# KiCad board WLED Matrix.kicad_pcb (continued)
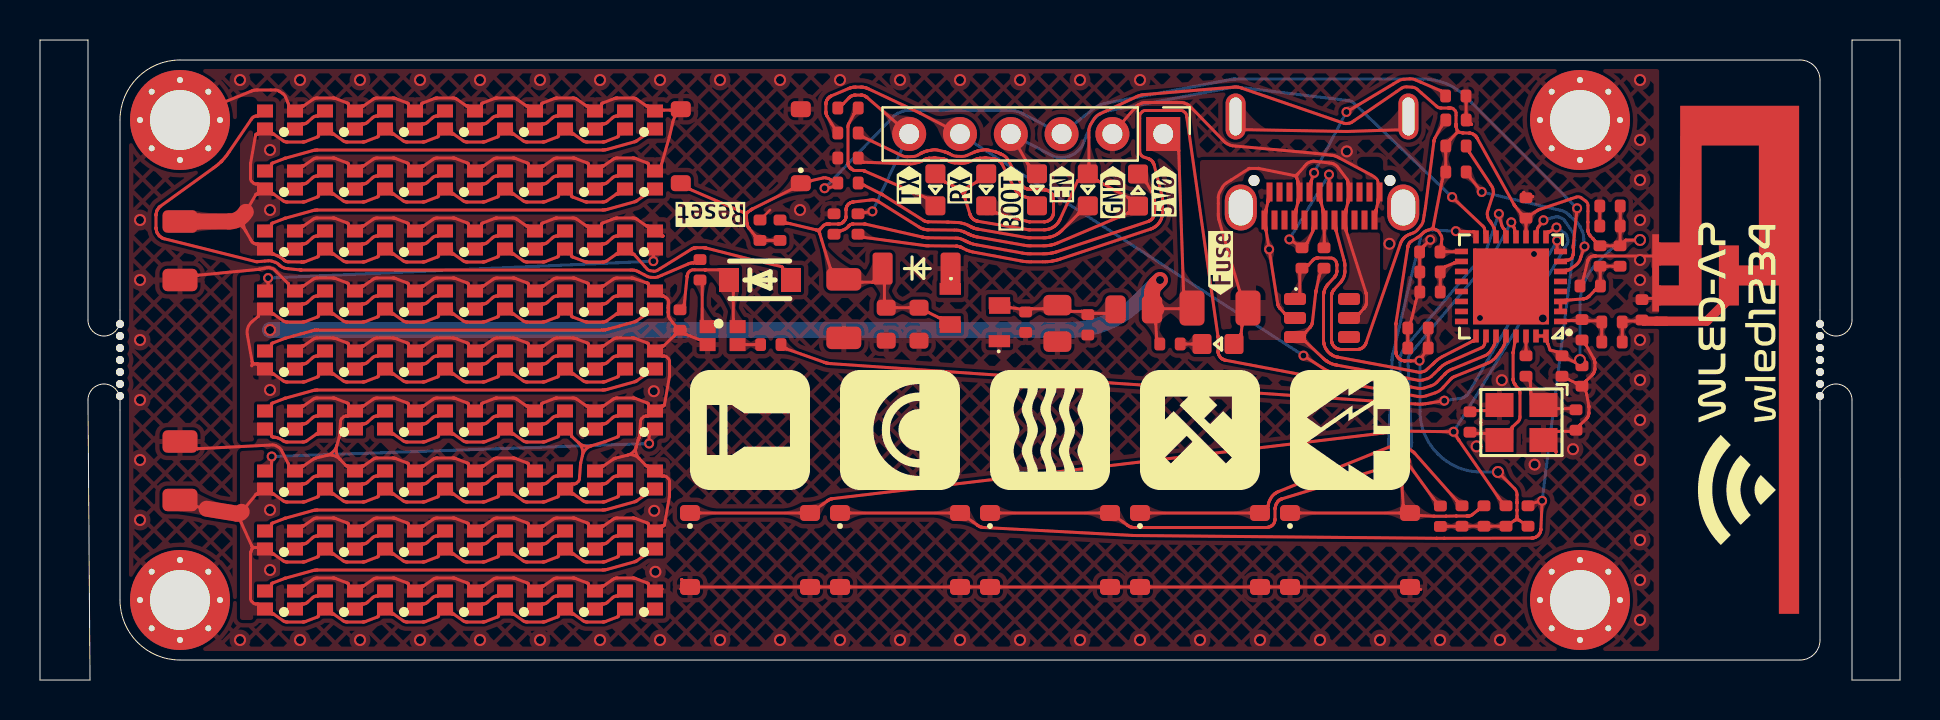
[diagram p0: board, top side]
## Routing (per net, layer and track width the routed paths; a pad name or vN(x,y) marks a point on that pad's centre or on a via; arc(x,y) is an arc through that point) (continued)
/Flashlight: length 56
  Top w0.15: U3.9 75.36,22.37 arc(75.37,22.39) 75.4,22.41 75.45,22.41 arc(75.45,22.41) 75.46,22.41 75.47,22.41 arc(75.47,22.41) 75.47,22.41 arc(75.48,22.42) 75.48,22.42 v2(75.83,22.62) ; SW5.1 38.29,8.35 arc(38.49,8.38) 38.68,8.47 38.76,8.52 arc(38.96,8.66) 39.16,8.81 39.36,8.95 arc(39.37,8.95) 39.37,8.96 arc(39.38,8.96) 39.38,8.97 39.43,9 arc(39.44,9.01) 39.46,9.01 arc(39.47,9.02) 39.48,9.03 39.51,9.04 arc(39.53,9.05) 39.54,9.05 39.64,9.07 arc(39.64,9.07) 39.65,9.07 39.65,9.07 arc(39.66,9.07) 39.66,9.07 arc(39.66,9.07) 39.66,9.07 67.93,12.44 67.95,12.44 arc(67.96,12.44) 67.97,12.44 67.99,12.44 arc(68,12.44) 68,12.44 68.02,12.44 v2(70.68,12.41) 70.91,12.04 arc(70.91,12.03) 70.92,12.03 arc(70.92,12.02) 70.92,12.02 70.95,11.98 arc(70.95,11.98) 70.95,11.98 arc(70.95,11.97) 70.95,11.97 72.94,9.1 arc(73.05,8.96) 73.17,8.83 R20.2
  Bottom w0.15: v2(75.83,22.62) 76.06,22.47 76.23,22.35 arc(76.3,22.28) 76.34,22.19 76.39,21.99 arc(76.39,21.89) 76.36,21.79 76.25,21.61 71.78,14.16 arc(71.77,14.15) 71.77,14.14 arc(71.76,14.13) 71.76,14.12 v2(70.68,12.41)
/Game of Life: length 27.7
  Top w0.15: SW9.1 68.29,8.35 ; v2(68.06,10.25) 68.16,8.75 arc(68.16,8.75) 68.16,8.75 arc(68.16,8.75) 68.16,8.74 arc(68.16,8.74) 68.16,8.74 68.36,8.51 ; R28.2 71.91,8.5 arc(71.9,8.5) 71.9,8.5 arc(71.9,8.5) 71.9,8.5 71.63,8.28 71.59,8.25 arc(71.57,8.24) 71.55,8.23 71.51,8.21 arc(71.48,8.2) 71.46,8.2 71.41,8.2 arc(71.41,8.2) 71.4,8.2 71.39,8.2 arc(71.38,8.2) 71.37,8.2 71.36,8.2 arc(71.36,8.2) 71.36,8.2 71.36,8.2 arc(71.36,8.2) 71.35,8.2 71.35,8.2 arc(71.34,8.2) 71.34,8.2 70.82,8.2 arc(70.82,8.2) 70.82,8.2 70.3,8.19 arc(70.3,8.19) 70.3,8.19 69.72,8.19 arc(69.71,8.19) 69.7,8.19 arc(69.69,8.19) 69.68,8.19 69.01,8.22 arc(69,8.22) 69,8.22 arc(69,8.22) 69,8.23 68.96,8.23 arc(68.93,8.23) 68.89,8.24 68.7,8.29 ; U3.16 71.74,22.37 arc(71.73,22.39) 71.7,22.41 71.66,22.41 arc(71.66,22.41) 71.66,22.41 arc(71.66,22.41) 71.66,22.41 v2(70.79,22.44) ; 68.7,8.29 arc(68.5,8.33) 68.29,8.35 ; 68.7,8.29 arc(68.52,8.38) 68.36,8.51 ; 68.29,8.35 arc(68.38,8.41) 68.36,8.51
  Bottom w0.15: v2(70.79,22.44) 69.62,22.5 69.45,22.51 arc(69.36,22.49) 69.29,22.46 69.14,22.35 arc(69.09,22.29) 69.05,22.21 69.01,22.04 67.65,16.32 67.63,16.25 arc(67.62,16.22) 67.62,16.19 67.61,16.12 arc(67.61,16.09) 67.6,16.06 67.6,15.99 67.43,11.87 arc(67.43,11.84) 67.43,11.82 67.44,11.77 arc(67.45,11.74) 67.45,11.72 67.76,10.76 arc(67.77,10.75) 67.78,10.73 67.79,10.7 arc(67.8,10.69) 67.8,10.67 arc(67.81,10.66) 67.82,10.65 v2(68.06,10.25)
/MCU_RX: length 40.7
  Top w0.15: v2(63.17,16.22) 64.23,15.54 arc(64.29,15.5) 64.35,15.47 64.49,15.42 arc(64.55,15.4) 64.62,15.38 64.74,15.36 arc(64.75,15.35) 64.76,15.35 arc(64.77,15.35) 64.78,15.35 68.55,14.65 68.89,14.58 arc(69.06,14.57) 69.23,14.6 69.56,14.71 arc(69.71,14.78) 69.84,14.89 70.24,15.29 arc(70.24,15.29) 70.24,15.29 arc(70.24,15.3) 70.24,15.3 70.25,15.3 arc(70.26,15.31) 70.26,15.32 70.29,15.35 arc(70.33,15.38) 70.36,15.41 70.45,15.47 arc(70.49,15.49) 70.53,15.51 70.62,15.55 72.16,16.18 72.27,16.23 arc(72.32,16.25) 72.37,16.29 72.46,16.37 arc(72.5,16.41) 72.53,16.45 72.68,16.71 72.7,16.74 arc(72.71,16.76) 72.72,16.78 72.73,16.82 arc(72.73,16.84) 72.73,16.86 72.73,16.91 arc(72.74,16.95) 72.74,16.99 U3.27 ; J1.5 44.02,28.33 arc(44,28.34) 43.98,28.35 arc(43.96,28.36) 43.94,28.37 41.43,29.56 41.39,29.58 arc(41.37,29.58) 41.35,29.59 41.3,29.61 arc(41.28,29.61) 41.26,29.62 41.21,29.63 arc(41.21,29.63) 41.21,29.63 arc(41.21,29.63) 41.21,29.63 41.17,29.64 arc(41.15,29.64) 41.13,29.64 41.1,29.64 arc(41.08,29.65) 41.06,29.65 40.76,29.65 arc(40.74,29.65) 40.72,29.64 40.69,29.64 arc(40.67,29.64) 40.65,29.64 40.61,29.63 arc(40.61,29.63) 40.61,29.63 arc(40.61,29.63) 40.6,29.63 40.56,29.62 arc(40.54,29.61) 40.53,29.61 40.49,29.6 arc(40.47,29.59) 40.46,29.58 39.57,29.21 arc(39.56,29.2) 39.56,29.2 39.54,29.19 arc(39.54,29.19) 39.53,29.18 arc(39.52,29.18) 39.52,29.18 39.46,29.14 arc(39.45,29.13) 39.44,29.12 39.42,29.1 arc(39.41,29.09) 39.4,29.08 39.35,29 arc(39.34,28.99) 39.34,28.98 39.32,28.95 arc(39.32,28.93) 39.31,28.92 39.31,28.91 arc(39.31,28.9) 39.31,28.89 39.31,28.88 arc(39.31,28.88) 39.31,28.87 arc(39.31,28.87) 39.31,28.87 39.3,28.86 arc(39.3,28.85) 39.3,28.84 arc(39.3,28.83) 39.3,28.82 39.3,28.81 arc(39.29,28.8) 39.29,28.79 39.29,28.41 arc(39.29,28.4) 39.3,28.39 39.3,28.38 arc(39.3,28.37) 39.3,28.36 arc(39.3,28.35) 39.3,28.34 39.31,28.33 arc(39.31,28.33) 39.31,28.32 39.31,28.29 arc(39.32,28.27) 39.32,28.26 39.33,28.23 arc(39.34,28.22) 39.34,28.21 arc(39.35,28.2) 39.36,28.18 39.59,27.8 arc(39.68,27.65) 39.79,27.5 R12.2
  Bottom w0.15: v2(63.17,16.22) J1.5
/MCU_TX: length 9.5
  Top w0.15: v2(41.62,23.43) 41.23,23.37 arc(41.23,23.37) 41.23,23.37 arc(41.23,23.37) 41.23,23.37 41.22,23.37 arc(41.22,23.37) 41.22,23.37 41.18,23.37 arc(41.15,23.37) 41.11,23.36 R23.2 ; J1.6 41.36,29.12 41.35,29.13 arc(41.35,29.13) 41.34,29.14 41.33,29.14 arc(41.33,29.15) 41.33,29.15 arc(41.32,29.15) 41.32,29.15 41.26,29.19 arc(41.25,29.2) 41.24,29.2 41.21,29.22 arc(41.19,29.22) 41.18,29.23 41.14,29.23 arc(41.13,29.23) 41.13,29.23 41.12,29.24 arc(41.11,29.24) 41.1,29.24 arc(41.09,29.24) 41.08,29.24 41.07,29.24 arc(41.06,29.25) 41.05,29.25 40.77,29.25 arc(40.76,29.25) 40.75,29.24 40.74,29.24 arc(40.73,29.24) 40.72,29.24 arc(40.71,29.24) 40.7,29.24 40.69,29.23 arc(40.69,29.23) 40.69,29.23 arc(40.68,29.23) 40.68,29.23 40.64,29.23 arc(40.63,29.22) 40.61,29.22 40.58,29.2 arc(40.57,29.2) 40.56,29.19 40.49,29.15 arc(40.48,29.14) 40.48,29.14 40.46,29.12 arc(40.46,29.12) 40.45,29.11 40.18,28.83 arc(40.17,28.82) 40.17,28.82 40.17,28.82 arc(40.17,28.82) 40.17,28.82 40.16,28.81 arc(40.16,28.81) 40.16,28.81 arc(40.16,28.81) 40.15,28.81 R17.2
  Bottom w0.15: v2(41.62,23.43) J1.6
/Neopixel Bus: length 44.2
  Top w0.15: R1.1 37.31,16.56 arc(37.32,16.56) 37.32,16.56 arc(37.32,16.56) 37.32,16.56 arc(37.32,16.56) 37.32,16.56 39.21,15.88 39.24,15.88 arc(39.25,15.87) 39.26,15.87 39.29,15.86 arc(39.3,15.86) 39.31,15.85 39.43,15.83 arc(39.45,15.83) 39.46,15.83 39.48,15.82 arc(39.49,15.82) 39.5,15.82 39.53,15.82 68.76,13.8 68.89,13.79 arc(68.95,13.79) 69.01,13.79 69.14,13.8 arc(69.2,13.8) 69.27,13.81 69.39,13.83 v2(70.22,13.97) ; U3.8 75.89,21.48 arc(75.86,21.5) 75.85,21.53 v2(75.85,21.97)
  Bottom w0.15: v2(75.85,21.97) 71.47,14.42 71.4,14.31 arc(71.36,14.25) 71.32,14.21 71.21,14.14 arc(71.15,14.11) 71.09,14.09 v2(70.22,13.97)
/Noise: length 32.8
  Top w0.15: SW8.1 60.79,8.35 arc(60.99,8.39) 61.16,8.49 61.41,8.71 arc(61.41,8.71) 61.41,8.71 61.41,8.72 arc(61.41,8.72) 61.41,8.72 61.41,8.73 arc(61.42,8.73) 61.42,8.73 arc(61.42,8.73) 61.42,8.73 61.42,8.74 arc(61.42,8.74) 61.42,8.75 61.42,8.78 arc(61.42,8.81) 61.43,8.84 61.45,8.91 arc(61.46,8.94) 61.48,8.97 61.56,9.12 arc(61.58,9.16) 61.61,9.19 61.66,9.25 arc(61.69,9.28) 61.72,9.3 61.77,9.34 arc(61.79,9.35) 61.8,9.36 61.8,9.36 arc(61.82,9.37) 61.84,9.38 61.87,9.4 arc(61.89,9.41) 61.91,9.42 61.95,9.43 v2(68.01,11.87) 68.62,11.43 arc(68.64,11.42) 68.65,11.41 arc(68.66,11.41) 68.68,11.39 68.7,11.37 arc(68.71,11.36) 68.73,11.35 70.84,8.96 arc(70.84,8.96) 70.84,8.96 arc(70.84,8.96) 70.84,8.96 arc(70.84,8.96) 70.84,8.95 R27.2 ; v2(72.94,23.31) 73.09,22.73 arc(73.1,22.7) 73.11,22.67 73.14,22.62 arc(73.16,22.59) 73.18,22.57 73.2,22.55 arc(73.2,22.54) 73.21,22.54 arc(73.21,22.53) 73.22,22.53 arc(73.22,22.52) 73.23,22.51 73.23,22.5 arc(73.23,22.49) 73.24,22.49 73.24,22.44 arc(73.24,22.41) 73.24,22.37 U3.13
  Bottom w0.15: v2(68.01,11.87) 68,15.88 68,16.05 arc(68.01,16.14) 68.03,16.22 68.09,16.38 arc(68.13,16.46) 68.17,16.53 68.29,16.66 72.19,21.29 72.22,21.33 arc(72.24,21.35) 72.25,21.37 72.28,21.42 arc(72.29,21.44) 72.3,21.46 72.32,21.51 v2(72.94,23.31)
/Rainbow: length 54
  Top w0.15: R21.2 74.56,8.79 arc(74.72,8.86) 74.89,8.91 v2(75.11,8.96) 75.05,7.55 arc(75.05,7.54) 75.04,7.54 arc(75.04,7.53) 75.04,7.52 75.04,7.51 arc(75.04,7.5) 75.04,7.5 arc(75.04,7.49) 75.04,7.49 75.03,7.42 arc(75.02,7.41) 75.02,7.39 75,7.36 arc(75,7.35) 74.99,7.34 74.94,7.27 arc(74.93,7.25) 74.92,7.24 74.9,7.22 arc(74.89,7.21) 74.87,7.2 74.83,7.17 arc(74.82,7.16) 74.8,7.15 arc(74.79,7.14) 74.78,7.14 74.75,7.12 arc(74.73,7.12) 74.72,7.11 74.66,7.1 arc(74.65,7.1) 74.64,7.1 arc(74.63,7.1) 74.62,7.1 74.61,7.1 arc(74.6,7.09) 74.59,7.09 arc(74.59,7.09) 74.58,7.09 70.2,7.08 69.83,7.08 arc(69.83,7.08) 69.83,7.08 54.71,7.22 arc(54.69,7.22) 54.68,7.22 arc(54.66,7.23) 54.65,7.23 47.19,7.62 47.18,7.62 arc(47.17,7.63) 47.17,7.63 47.15,7.63 arc(47.15,7.63) 47.14,7.63 arc(47.14,7.63) 47.13,7.63 47.04,7.65 arc(47.03,7.65) 47.01,7.66 46.98,7.67 arc(46.97,7.68) 46.96,7.69 46.88,7.73 arc(46.88,7.74) 46.87,7.74 arc(46.87,7.75) 46.86,7.75 46.66,7.89 arc(46.46,8.04) 46.26,8.18 46.18,8.23 arc(45.99,8.32) 45.79,8.35 SW6.1 ; v2(75.17,22.99) 74.91,22.64 arc(74.9,22.62) 74.89,22.6 74.87,22.55 arc(74.87,22.53) 74.86,22.5 74.86,22.44 arc(74.86,22.41) 74.86,22.37 U3.10
  Bottom w0.15: v2(75.17,22.99) 75.76,23.15 arc(75.84,23.17) 75.92,23.15 76.08,23.09 arc(76.15,23.05) 76.21,23 76.52,22.55 76.63,22.4 arc(76.67,22.32) 76.7,22.24 76.73,22.06 arc(76.74,21.97) 76.73,21.89 76.72,21.81 arc(76.71,21.8) 76.71,21.79 76.71,21.79 arc(76.71,21.78) 76.71,21.78 arc(76.71,21.77) 76.71,21.77 76.71,21.76 arc(76.71,21.75) 76.7,21.75 arc(76.7,21.74) 76.7,21.74 v2(75.11,8.96)
/Reset: length 58.1
  Top w0.15: 35.41,23.41 35.52,23.49 arc(35.53,23.49) 35.53,23.5 arc(35.54,23.5) 35.54,23.5 35.59,23.53 arc(35.59,23.54) 35.6,23.54 35.6,23.54 arc(35.61,23.55) 35.61,23.55 arc(35.62,23.55) 35.62,23.55 37.57,24.53 arc(37.57,24.53) 37.57,24.53 arc(37.57,24.53) 37.58,24.53 arc(37.58,24.53) 37.58,24.53 37.86,24.72 arc(38.05,24.82) 38.25,24.9 38.43,24.95 arc(38.47,24.96) 38.5,24.96 38.54,24.96 arc(38.54,24.97) 38.55,24.97 38.55,24.97 arc(38.55,24.97) 38.56,24.97 arc(38.56,24.97) 38.56,24.97 39.17,25.11 arc(39.23,25.11) 39.29,25.11 39.41,25.08 arc(39.46,25.06) 39.51,25.03 39.57,24.98 arc(39.57,24.98) 39.58,24.97 arc(39.58,24.97) 39.59,24.97 39.6,24.96 arc(39.61,24.96) 39.61,24.96 39.66,24.96 arc(39.69,24.96) 39.73,24.94 39.79,24.91 arc(39.83,24.85) 39.8,24.78 39.76,24.74 arc(39.62,24.66) 39.46,24.62 v2(39.23,24.59) ; 35.41,23.41 arc(35.29,23.36) 35.17,23.38 ; 35.41,23.41 arc(35.33,23.31) 35.32,23.18 ; R36.2 36.12,21.98 arc(36.01,22) 35.91,22.06 35.74,22.22 arc(35.74,22.23) 35.74,22.23 arc(35.74,22.23) 35.74,22.23 35.47,22.56 arc(35.47,22.56) 35.46,22.57 arc(35.46,22.57) 35.46,22.57 35.46,22.58 arc(35.45,22.58) 35.45,22.59 35.43,22.62 arc(35.42,22.63) 35.41,22.65 arc(35.4,22.66) 35.4,22.67 35.38,22.7 arc(35.38,22.72) 35.37,22.73 35.37,22.77 arc(35.37,22.78) 35.37,22.78 35.36,22.8 arc(35.36,22.8) 35.36,22.81 arc(35.36,22.81) 35.36,22.81 35.36,22.82 arc(35.36,22.82) 35.36,22.82 arc(35.36,22.83) 35.36,22.83 35.32,23.18 ; 35.17,23.38 32.51,24.53 arc(32.51,24.53) 32.51,24.53 32.51,24.53 arc(32.5,24.53) 32.5,24.53 SW11.2 ; 35.17,23.38 arc(35.27,23.3) 35.32,23.18 ; U3.7 76.24,20.98 arc(76.28,20.99) 76.32,20.99 76.4,20.99 arc(76.45,21) 76.49,21.02 76.56,21.08 arc(76.6,21.11) 76.62,21.15 76.66,21.27 arc(76.66,21.28) 76.66,21.3 76.67,21.32 arc(76.67,21.33) 76.67,21.35 arc(76.67,21.36) 76.67,21.37 76.67,21.48 arc(76.67,21.49) 76.67,21.49 arc(76.67,21.5) 76.67,21.5 76.67,21.51 arc(76.67,21.51) 76.67,21.52 arc(76.67,21.52) 76.67,21.52 76.67,21.59 arc(76.67,21.59) 76.67,21.6 76.67,21.6 arc(76.67,21.6) 76.67,21.61 arc(76.66,21.61) 76.66,21.62 76.66,21.63 arc(76.66,21.64) 76.66,21.66 76.66,21.69 arc(76.66,21.7) 76.66,21.72 76.67,21.75 v2(76.86,23.59)
  Bottom w0.15: v2(39.23,24.59) 42.53,28.03 42.7,28.2 arc(42.79,28.28) 42.89,28.33 43.11,28.43 arc(43.22,28.46) 43.34,28.48 48.61,28.48 arc(48.68,28.47) 48.75,28.46 48.89,28.42 arc(48.96,28.4) 49.02,28.37 J1.3 52.57,28.48 52.72,28.59 arc(52.8,28.65) 52.88,28.69 53.05,28.77 arc(53.14,28.81) 53.23,28.83 59.53,30.02 59.58,30.03 arc(59.6,30.04) 59.62,30.04 59.67,30.05 arc(59.7,30.05) 59.72,30.05 arc(59.75,30.05) 59.77,30.05 69.16,30.05 arc(70.31,29.82) 71.28,29.17 71.58,28.87 arc(71.58,28.87) 71.58,28.87 arc(71.58,28.86) 71.58,28.86 v2(76.86,23.59)
/Sea: length 39.7
  Top w0.15: SW7.1 53.29,8.35 arc(53.49,8.32) 53.68,8.23 53.76,8.18 arc(53.96,8.04) 54.16,7.89 54.36,7.75 arc(54.37,7.75) 54.37,7.74 arc(54.38,7.74) 54.38,7.73 54.46,7.69 arc(54.47,7.68) 54.48,7.67 54.51,7.66 arc(54.53,7.65) 54.54,7.65 54.64,7.63 arc(54.65,7.63) 54.66,7.63 54.68,7.63 arc(54.68,7.62) 54.69,7.62 61.31,7.62 arc(61.32,7.62) 61.32,7.62 61.34,7.63 arc(61.35,7.63) 61.36,7.63 arc(61.36,7.63) 61.37,7.63 61.46,7.65 arc(61.47,7.65) 61.49,7.66 61.52,7.67 arc(61.53,7.68) 61.55,7.69 61.62,7.74 arc(61.64,7.75) 61.66,7.78 61.69,7.82 arc(61.71,7.85) 61.72,7.87 61.74,7.96 arc(61.74,7.97) 61.74,7.97 arc(61.74,7.98) 61.75,7.99 61.75,8.01 arc(61.75,8.02) 61.75,8.03 61.75,8.56 arc(61.75,8.56) 61.75,8.57 61.75,8.58 arc(61.75,8.59) 61.75,8.6 61.77,8.67 arc(61.77,8.68) 61.77,8.68 arc(61.77,8.69) 61.77,8.69 61.78,8.7 arc(61.78,8.71) 61.78,8.71 61.81,8.78 arc(61.81,8.79) 61.81,8.79 arc(61.81,8.8) 61.82,8.8 61.82,8.82 arc(61.83,8.82) 61.83,8.83 arc(61.83,8.83) 61.84,8.84 61.87,8.89 arc(61.87,8.89) 61.88,8.9 arc(61.88,8.91) 61.89,8.92 61.9,8.94 arc(61.91,8.95) 61.92,8.95 61.96,8.99 arc(61.97,9) 61.98,9.01 62.01,9.02 arc(62.02,9.03) 62.03,9.03 62.08,9.05 arc(62.08,9.05) 62.09,9.06 62.09,9.06 arc(62.1,9.06) 62.1,9.06 arc(62.11,9.06) 62.11,9.06 v2(68.31,10.95) 69.66,9.09 arc(69.77,8.95) 69.89,8.82 R24.2 ; U3.12 73.74,22.37 arc(73.74,22.41) 73.73,22.44 73.73,22.5 arc(73.73,22.51) 73.73,22.53 73.72,22.57 arc(73.72,22.58) 73.71,22.6 v2(73.56,22.89)
  Bottom w0.15: v2(73.56,22.89) 72.63,21.22 72.61,21.18 arc(72.59,21.16) 72.58,21.14 72.55,21.1 arc(72.54,21.08) 72.53,21.07 72.5,21.03 68.57,16.38 68.5,16.3 arc(68.47,16.25) 68.45,16.2 68.41,16.1 arc(68.4,16.05) 68.4,16 68.4,15.89 68.58,11.92 68.58,11.87 arc(68.58,11.84) 68.58,11.82 68.57,11.76 arc(68.57,11.74) 68.56,11.71 v2(68.31,10.95)
/SHLD: length 11.2
  Top w0.15: J2.S1 59.78,27.85 arc(59.87,27.62) 60.11,27.52 65.28,27.43 arc(65.31,27.43) 65.33,27.43 arc(65.35,27.43) 65.38,27.43 68.1,27.51 ; J2.S1 68.16,23.97 ; 68.1,27.51 arc(68.33,27.62) 68.42,27.85 arc(68.33,27.62) 68.1,27.51
  Bottom w0.15: 60.04,23.97 J2.S1 ; J2.S1 59.78,27.53
/XIN: length 3.5
  Top w0.15: C23.2 76.59,13.56 arc(76.55,13.57) 76.52,13.57 75.84,13.57 arc(75.8,13.57) 75.76,13.58 75.49,13.66 arc(75.19,13.78) 74.92,13.96 74.58,14.25 arc(74.56,14.28) 74.55,14.31 arc(74.55,14.35) 74.55,14.39 74.51,14.92 arc(74.51,14.92) 74.51,14.92 74.51,14.92 arc(74.51,14.92) 74.51,14.93 R6.2
/XOUT: length 7.2
  Top w0.15: U3.29 73.74,16.99 arc(73.74,16.95) 73.73,16.91 73.73,16.87 arc(73.73,16.86) 73.73,16.86 73.73,16.84 arc(73.73,16.84) 73.73,16.83 arc(73.73,16.83) 73.73,16.82 73.66,16.41 arc(73.66,16.4) 73.66,16.39 arc(73.66,16.39) 73.66,16.38 73.66,16.37 arc(73.65,16.36) 73.65,16.35 73.65,15.05 arc(73.65,15.04) 73.66,15.03 73.66,15.02 arc(73.66,15.01) 73.66,15 arc(73.66,14.99) 73.66,14.98 73.67,14.97 arc(73.67,14.97) 73.67,14.96 73.67,14.92 arc(73.68,14.91) 73.68,14.89 73.7,14.86 arc(73.7,14.85) 73.71,14.84 arc(73.72,14.82) 73.73,14.81 73.75,14.78 arc(73.75,14.78) 73.75,14.78 arc(73.75,14.77) 73.75,14.77 73.76,14.77 arc(73.76,14.76) 73.76,14.76 arc(73.76,14.76) 73.77,14.76 73.95,14.53 arc(73.96,14.51) 73.97,14.48 73.99,14.43 arc(74,14.4) 74,14.38 74,13.18 74,13.11 arc(73.99,13.08) 73.98,13.05 73.96,12.99 arc(73.94,12.96) 73.92,12.93 73.62,12.65 arc(73.61,12.64) 73.61,12.64 73.6,12.62 arc(73.6,12.61) 73.6,12.61 73.6,12.56 arc(73.59,12.53) 73.57,12.5 73.24,12.23 arc(72.96,12.11) 72.66,12.16 72.38,12.31 arc(72.35,12.33) 72.31,12.33 71.78,12.33 arc(71.75,12.33) 71.71,12.34 C22.1
Net-(AE1-A): length 2
  Top w0.15: C4.1 79.89,17.96 arc(79.85,17.95) 79.82,17.95 79.34,17.95 arc(79.31,17.95) 79.27,17.94 79.21,17.93 arc(79.14,17.88) 79.11,17.8 L3.1
Net-(C55-Pad1): length 4.7
  Top w0.15: U3.2 76.03,18.89 arc(76.04,18.92) 76.06,18.94 76.24,18.98 arc(76.28,18.99) 76.32,18.99 76.35,18.99 arc(76.35,18.99) 76.36,18.99 arc(76.36,18.99) 76.36,18.99 77.16,19.06 arc(77.16,19.06) 77.17,19.06 arc(77.17,19.06) 77.17,19.06 77.18,19.06 arc(77.19,19.06) 77.19,19.06 arc(77.2,19.06) 77.2,19.06 77.27,19.07 arc(77.28,19.08) 77.3,19.08 77.33,19.1 arc(77.34,19.1) 77.35,19.11 arc(77.37,19.12) 77.38,19.13 77.4,19.14 arc(77.41,19.15) 77.42,19.15 arc(77.43,19.16) 77.43,19.16 77.45,19.18 arc(77.45,19.18) 77.46,19.19 arc(77.47,19.19) 77.47,19.2 77.73,19.48 arc(77.74,19.48) 77.74,19.48 77.74,19.48 arc(77.74,19.48) 77.74,19.48 arc(77.74,19.48) 77.74,19.48 arc(77.75,19.49) 77.75,19.49 77.75,19.49 arc(77.75,19.49) 77.75,19.49 77.75,19.49 arc(77.75,19.49) 77.75,19.49 77.92,19.62 arc(77.99,19.71) 78.02,19.82 78.01,19.91 arc(78.01,19.95) 78.01,19.98 78.01,20.46 arc(78.01,20.49) 78.01,20.53 78,20.59 arc(78.03,20.66) 78.1,20.69 L5.2
Net-(J2-D+-PadA6): length 2.8
  Top w0.15: J2.B6 64.04,24.04 arc(64.05,24) 64.05,23.96 64.05,23.91 arc(64.05,23.91) 64.05,23.9 64.05,23.88 arc(64.05,23.87) 64.06,23.86 arc(64.06,23.85) 64.06,23.85 64.14,23.55 arc(64.14,23.54) 64.14,23.54 arc(64.15,23.53) 64.15,23.52 64.15,23.5 arc(64.15,23.49) 64.15,23.48 64.15,23.44 arc(64.15,23.4) 64.16,23.36 64.19,23.2 arc(64.21,23) 64.22,22.8 64.21,22.64 arc(64.21,22.6) 64.21,22.56 64.21,21.84 arc(64.21,21.81) 64.21,21.77 R3.1
Net-(J2-D--PadA7): length 7
  Top w0.15: v2(64.45,25.27) 64.45,24.84 arc(64.45,24.8) 64.45,24.76 J2.B7 ; J2.A7 63.66,22.64 arc(63.65,22.6) 63.65,22.56 63.65,22.54 arc(63.65,22.52) 63.65,22.51 arc(63.65,22.49) 63.65,22.48 63.64,22.45 arc(63.64,22.43) 63.63,22.42 63.36,21.86 arc(63.36,21.86) 63.36,21.86 arc(63.36,21.86) 63.36,21.86 arc(63.36,21.86) 63.36,21.85 63.23,21.73 arc(63.1,21.67) 62.95,21.71 62.95,21.71 arc(62.8,21.82) 62.65,21.92 v2(62.47,22.03)
  Bottom w0.15: v2(64.45,25.27) v2(62.47,22.03)
Net-(LDO1-Vin): length 6.1
  Top w0.15: FB1.2 53.37,18.35 arc(53.34,18.33) 53.3,18.33 52.67,18.33 arc(52.64,18.33) 52.6,18.32 52.51,18.3 arc(52.39,18.29) 52.28,18.33 52.08,18.43 arc(52.07,18.43) 52.07,18.43 arc(52.07,18.43) 52.07,18.43 52.07,18.43 arc(52.07,18.43) 52.07,18.43 51.57,18.43 arc(51.57,18.43) 51.57,18.43 51.56,18.43 arc(51.56,18.43) 51.56,18.43 arc(51.56,18.43) 51.56,18.43 51.17,18.61 arc(50.87,18.68) 50.56,18.65 50.28,18.57 arc(50.24,18.56) 50.21,18.56 49.6,18.56 arc(49.6,18.56) 49.6,18.56 49.6,18.56 arc(49.6,18.56) 49.59,18.56 49.44,18.48 arc(49.28,18.44) 49.12,18.48 arc(48.96,18.55) 48.79,18.58 48.52,18.61 arc(48.51,18.61) 48.51,18.61 arc(48.5,18.61) 48.5,18.62 48.47,18.62 arc(48.43,18.62) 48.4,18.63 LDO1.2
Net-(LED1-K): length 1.1
  Top w0.15: LED1.1 R18.2
Net-(LED2-K): length 19.1
  Top w0.15: R22.1 40.01,22.45 arc(40.02,22.45) 40.02,22.45 arc(40.02,22.45) 40.02,22.45 arc(40.02,22.45) 40.02,22.45 40.19,22.51 arc(40.23,22.53) 40.26,22.55 40.32,22.59 arc(40.35,22.61) 40.38,22.64 40.42,22.69 arc(40.43,22.69) 40.43,22.69 arc(40.43,22.7) 40.43,22.7 40.44,22.71 arc(40.44,22.71) 40.45,22.71 arc(40.45,22.71) 40.45,22.72 40.46,22.72 arc(40.47,22.73) 40.48,22.74 40.48,22.74 arc(40.5,22.76) 40.51,22.76 40.55,22.78 arc(40.57,22.79) 40.58,22.79 40.62,22.8 arc(40.63,22.8) 40.63,22.8 arc(40.64,22.8) 40.64,22.8 40.65,22.8 arc(40.65,22.8) 40.66,22.8 41.22,22.8 arc(41.23,22.8) 41.24,22.8 41.26,22.8 arc(41.26,22.8) 41.27,22.79 44.1,22.15 arc(44.11,22.15) 44.13,22.15 arc(44.14,22.14) 44.16,22.14 44.23,22.13 arc(44.25,22.12) 44.28,22.12 44.33,22.11 arc(44.36,22.11) 44.38,22.11 44.44,22.11 45.77,22.1 45.85,22.1 arc(45.89,22.09) 45.92,22.09 46,22.07 arc(46.03,22.06) 46.07,22.05 46.2,21.99 arc(46.22,21.98) 46.23,21.97 46.24,21.97 arc(46.25,21.96) 46.26,21.96 arc(46.27,21.96) 46.28,21.95 46.3,21.94 arc(46.32,21.93) 46.33,21.93 46.33,21.92 arc(46.34,21.92) 46.35,21.91 arc(46.36,21.91) 46.37,21.91 46.48,21.86 arc(46.52,21.84) 46.57,21.82 46.65,21.8 arc(46.7,21.78) 46.74,21.78 46.83,21.76 49.12,21.35 49.2,21.33 arc(49.24,21.33) 49.29,21.32 49.37,21.31 arc(49.41,21.31) 49.46,21.31 50.25,21.31 arc(50.29,21.31) 50.34,21.31 50.44,21.32 arc(50.48,21.33) 50.53,21.34 50.66,21.36 arc(50.69,21.37) 50.72,21.38 50.78,21.39 arc(50.81,21.4) 50.84,21.41 50.89,21.43 55.4,22.92 55.42,22.93 arc(55.43,22.93) 55.44,22.94 55.46,22.95 arc(55.47,22.95) 55.48,22.96 55.55,23.01 arc(55.56,23.02) 55.57,23.03 55.6,23.05 arc(55.61,23.06) 55.62,23.07 55.67,23.15 arc(55.68,23.16) 55.68,23.18 55.7,23.21 arc(55.7,23.22) 55.7,23.24 55.72,23.3 arc(55.72,23.31) 55.72,23.32 arc(55.72,23.33) 55.72,23.34 55.72,23.35 arc(55.73,23.36) 55.73,23.37 55.73,24.03 arc(55.73,24.04) 55.72,24.05 55.72,24.06 arc(55.72,24.07) 55.72,24.08 arc(55.72,24.09) 55.72,24.1 55.71,24.16 arc(55.7,24.17) 55.7,24.18 55.69,24.21 arc(55.68,24.22) 55.68,24.23 55.33,24.85 arc(55.33,24.85) 55.33,24.85 arc(55.33,24.85) 55.33,24.85 LED2.1
Net-(LED4-C): length 7.9
  Top w0.15: R17.1 40.7,28.31 arc(40.7,28.3) 40.7,28.3 arc(40.7,28.3) 40.7,28.3 40.43,27.8 arc(40.42,27.78) 40.41,27.76 40.4,27.72 arc(40.4,27.7) 40.4,27.68 40.4,27.64 40.4,25.83 arc(40.4,25.82) 40.4,25.81 40.41,25.78 arc(40.41,25.77) 40.41,25.76 40.43,25.71 arc(40.44,25.69) 40.45,25.68 40.47,25.65 arc(40.48,25.63) 40.49,25.62 40.51,25.61 arc(40.51,25.61) 40.51,25.61 40.51,25.61 arc(40.52,25.6) 40.52,25.6 40.53,25.59 arc(40.53,25.59) 40.54,25.58 arc(40.54,25.58) 40.55,25.58 40.55,25.57 arc(40.55,25.57) 40.55,25.57 arc(40.55,25.57) 40.55,25.57 40.56,25.56 arc(40.57,25.55) 40.58,25.55 40.59,25.54 arc(40.61,25.52) 40.64,25.51 40.69,25.49 arc(40.72,25.48) 40.75,25.48 41.11,25.48 arc(41.12,25.47) 41.13,25.47 41.16,25.47 arc(41.17,25.47) 41.18,25.46 arc(41.19,25.46) 41.2,25.46 41.21,25.45 arc(41.21,25.45) 41.22,25.45 arc(41.22,25.45) 41.23,25.45 41.24,25.45 arc(41.24,25.44) 41.24,25.44 arc(41.25,25.44) 41.25,25.44 44.29,24.12 arc(44.29,24.12) 44.29,24.12 44.3,24.12 arc(44.3,24.12) 44.3,24.12 LED4.1
Net-(LED5-C): length 15.9
  Top w0.15: LED5.1 47.8,23.36 arc(47.8,23.36) 47.81,23.36 49.35,22.94 arc(49.36,22.93) 49.37,22.93 arc(49.38,22.93) 49.39,22.92 49.43,22.92 arc(49.44,22.92) 49.44,22.91 arc(49.45,22.91) 49.46,22.91 49.48,22.91 arc(49.48,22.91) 49.49,22.91 50.21,22.91 arc(50.22,22.91) 50.22,22.91 50.24,22.91 arc(50.25,22.91) 50.26,22.91 arc(50.26,22.92) 50.27,22.92 50.34,22.93 arc(50.35,22.93) 50.37,22.94 50.4,22.95 arc(50.41,22.96) 50.42,22.97 50.5,23.02 arc(50.51,23.03) 50.52,23.04 50.55,23.06 arc(50.56,23.07) 50.57,23.08 50.62,23.16 arc(50.63,23.17) 50.63,23.19 50.65,23.22 arc(50.65,23.23) 50.65,23.25 50.67,23.31 arc(50.67,23.32) 50.67,23.33 arc(50.67,23.34) 50.67,23.35 50.67,23.36 arc(50.68,23.37) 50.68,23.38 50.68,24.04 arc(50.68,24.05) 50.67,24.06 50.67,24.07 arc(50.67,24.08) 50.67,24.09 arc(50.67,24.1) 50.67,24.11 50.65,24.17 arc(50.65,24.19) 50.65,24.2 50.63,24.23 arc(50.63,24.25) 50.62,24.26 50.59,24.3 arc(50.59,24.3) 50.59,24.3 arc(50.59,24.3) 50.59,24.3 50.57,24.34 arc(50.56,24.35) 50.55,24.36 50.52,24.38 arc(50.51,24.39) 50.5,24.4 50.42,24.45 arc(50.41,24.46) 50.4,24.47 50.37,24.48 arc(50.35,24.49) 50.34,24.49 50.3,24.5 arc(50.29,24.5) 50.29,24.5 arc(50.29,24.5) 50.28,24.5 50.26,24.5 arc(50.26,24.51) 50.25,24.51 arc(50.24,24.51) 50.24,24.51 50.22,24.51 arc(50.21,24.51) 50.21,24.51 50.13,24.51 arc(50.12,24.51) 50.12,24.51 arc(50.12,24.51) 50.11,24.51 49.57,24.52 arc(49.57,24.52) 49.56,24.52 arc(49.56,24.52) 49.56,24.52 49.55,24.52 arc(49.55,24.52) 49.54,24.53 49.47,24.53 arc(49.47,24.53) 49.46,24.54 arc(49.45,24.54) 49.44,24.54 49.38,24.55 arc(49.38,24.55) 49.37,24.55 49.36,24.55 arc(49.35,24.56) 49.35,24.56 arc(49.34,24.56) 49.34,24.56 49.3,24.57 arc(49.29,24.58) 49.27,24.58 arc(49.26,24.59) 49.24,24.6 49.22,24.61 arc(49.2,24.62) 49.19,24.63 49.19,24.63 arc(49.18,24.64) 49.17,24.65 49.15,24.67 arc(49.14,24.68) 49.14,24.68 49.12,24.7 arc(49.12,24.71) 49.11,24.71 49.09,24.74 arc(49.09,24.75) 49.09,24.75 arc(49.09,24.75) 49.08,24.76 49.08,24.76 arc(49.08,24.77) 49.08,24.77 48.45,25.92 48.4,26.02 arc(48.37,26.07) 48.33,26.11 48.24,26.19 arc(48.2,26.22) 48.15,26.25 48.09,26.28 arc(48.08,26.28) 48.08,26.28 48.07,26.28 arc(48.06,26.29) 48.06,26.29 48.04,26.3 arc(48.03,26.3) 48.02,26.31 48.01,26.31 arc(48.01,26.31) 48.01,26.31 48,26.32 arc(48,26.32) 47.99,26.32 47.98,26.33 arc(47.97,26.33) 47.97,26.34 arc(47.96,26.34) 47.95,26.34 47.92,26.35 arc(47.91,26.36) 47.89,26.37 arc(47.88,26.37) 47.86,26.38 47.82,26.39 arc(47.81,26.4) 47.8,26.4 arc(47.79,26.4) 47.78,26.41 47.76,26.41 arc(47.76,26.42) 47.75,26.42 47.4,26.5 arc(47.36,26.51) 47.33,26.51 47.25,26.51 arc(47.21,26.51) 47.17,26.5 46.89,26.45 arc(46.88,26.45) 46.86,26.44 46.83,26.44 arc(46.82,26.43) 46.8,26.43 46.73,26.4 arc(46.72,26.39) 46.71,26.39 arc(46.7,26.38) 46.68,26.38 46.33,26.22 arc(46.21,26.19) 46.09,26.18 45.83,26.19 arc(45.7,26.21) 45.59,26.25 45.47,26.31 arc(45.47,26.31) 45.47,26.31 45.46,26.32 arc(45.46,26.32) 45.45,26.32 45.44,26.33 arc(45.43,26.33) 45.43,26.34 arc(45.42,26.34) 45.41,26.34 45.38,26.35 arc(45.37,26.36) 45.35,26.37 arc(45.34,26.37) 45.32,26.38 45.28,26.39 arc(45.27,26.4) 45.26,26.4 arc(45.25,26.4) 45.24,26.41 45.22,26.41 arc(45.22,26.42) 45.21,26.42 44.86,26.5 arc(44.82,26.51) 44.79,26.51 44.71,26.51 arc(44.67,26.51) 44.63,26.5 44.35,26.45 arc(44.34,26.45) 44.32,26.44 44.29,26.44 arc(44.28,26.43) 44.26,26.43 44.2,26.4 arc(44.18,26.39) 44.16,26.39 arc(44.15,26.38) 44.13,26.37 44.1,26.36 arc(44.1,26.36) 44.09,26.35 arc(44.08,26.35) 44.07,26.35 44.06,26.34 arc(44.05,26.34) 44.05,26.33 arc(44.04,26.33) 44.03,26.32 arc(44.03,26.32) 44.02,26.32 43.91,26.25 arc(43.78,26.2) 43.64,26.17 43.36,26.16 arc(43.23,26.17) 43.1,26.22 42.84,26.34 41.18,27.14 arc(41.18,27.14) 41.18,27.14 41.18,27.14 arc(41.18,27.14) 41.18,27.14 arc(41.18,27.14) 41.17,27.14 R12.1